# KiCad board SandyLPD_Base.kicad_pcb
title: Sandy; date: 2023-01-06; rev: v.0; company: @jpskenn
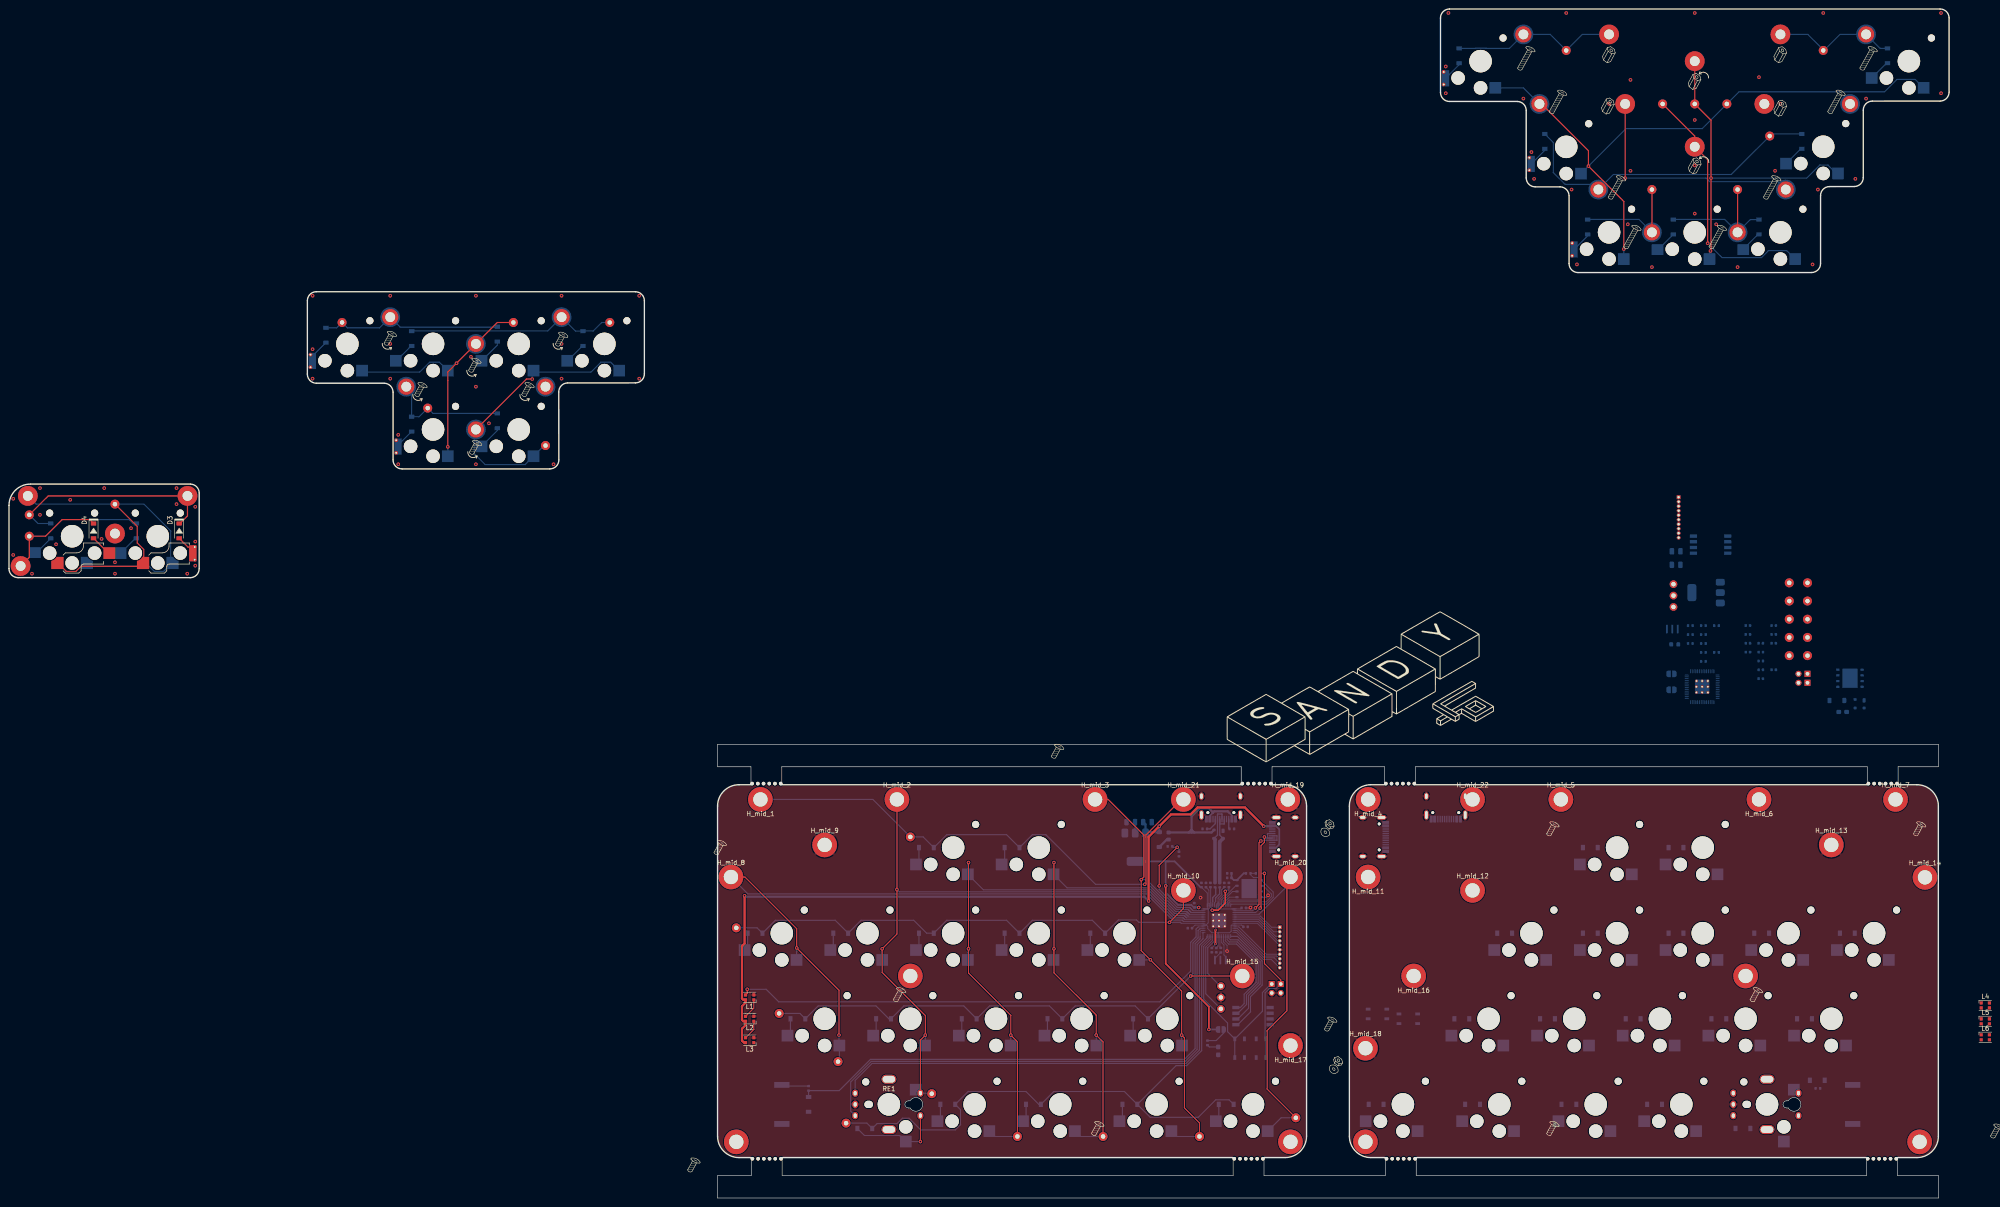
[diagram p0: board, top side]
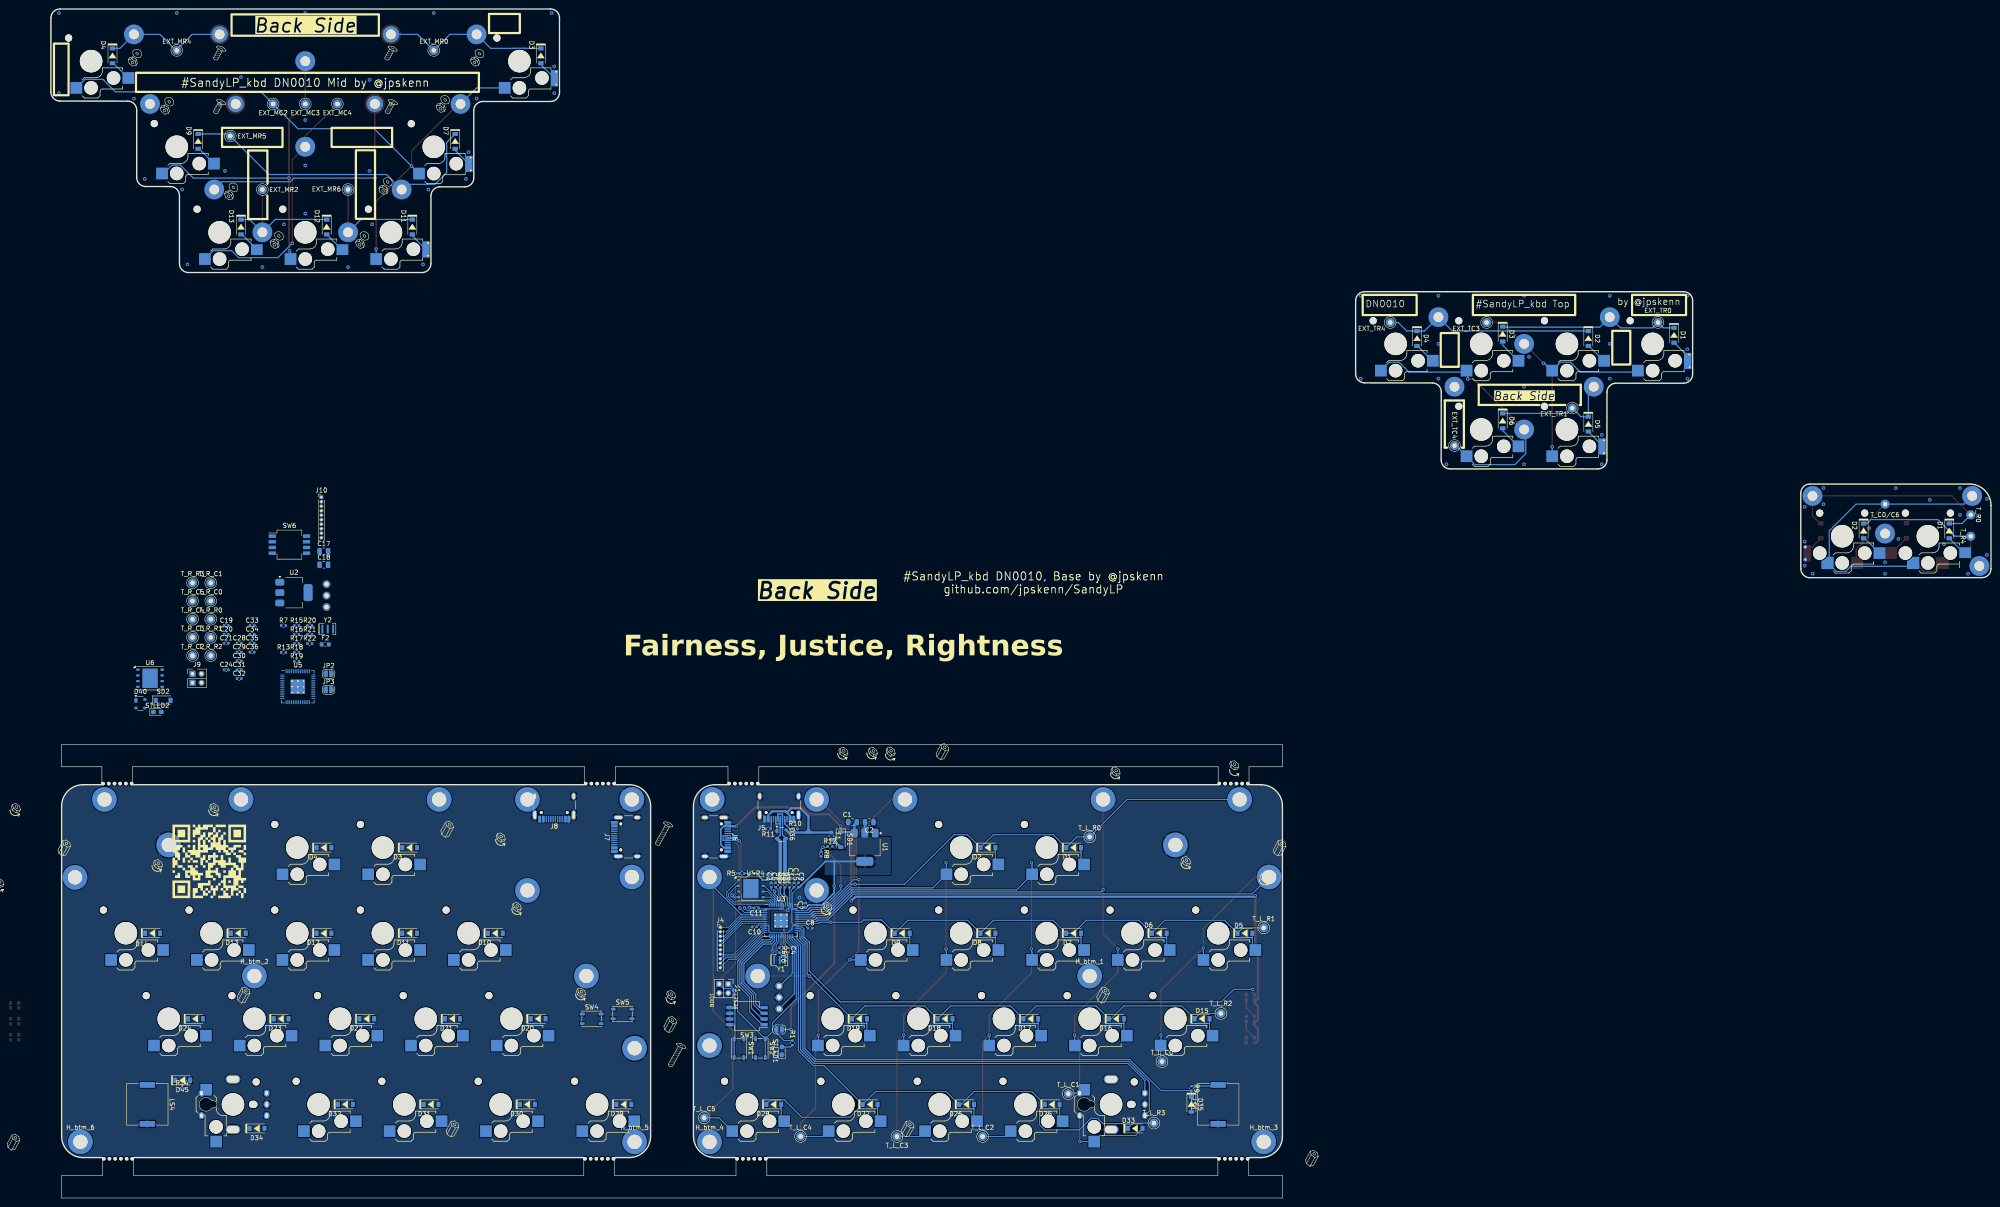
[diagram p1: board, bottom side, seen from below]

Outline 431.4 x 264.61 mm; copper layers: Top, Bottom. Coordinates in mm from the lower left corner of the outline.
Stack: Top 0.035mm / dielectric 1.11mm FR4 er 4.5 / Bottom 0.035mm

## Placement (name value [footprint] x y rotation side)
C1  10u  [C_0805_2012Metric]  253.16 83.65 0 bottom
C2  10u  [C_0805_2012Metric]  249.44 83.65 180 bottom
C3  100n  [C_0402_1005Metric]  271.25 69.65 90 bottom
C4  100n  [C_0402_1005Metric]  267.46 55.15 270 bottom
C5  100n  [C_0402_1005Metric]  270.24 69.65 90 bottom
C6  100n  [C_0402_1005Metric]  268.46 55.15 270 bottom
C7  100n  [C_0402_1005Metric]  263.56 65.15 90 bottom
C8  100n  [C_0402_1005Metric]  262.58 60.05 180 bottom
C9  100n  [C_0402_1005Metric]  265.16 69.65 90 bottom
C10  100n  [C_0402_1005Metric]  274.96 60.35 0 bottom
C11  100n  [C_0402_1005Metric]  274.56 64.55 0 bottom
C12  100n  [C_0402_1005Metric]  271.36 71.25 180 bottom
C13  2.2uF  [C_0402_1005Metric]  271.36 72.25 180 bottom
C14  2.2uF  [C_0402_1005Metric]  267.16 69.65 90 bottom
C15  2.2uF  [C_0402_1005Metric]  266.16 69.65 90 bottom
C17  10u  [C_0805_2012Metric]  370.72 143.93 180 bottom
C18  10u  [C_0805_2012Metric]  370.72 140.92 180 bottom
C19  100n  [C_0402_1005Metric]  392.41 127.4 180 bottom
C20  100n  [C_0402_1005Metric]  392.41 125.43 180 bottom
C21  100n  [C_0402_1005Metric]  392.41 123.46 180 bottom
C24  100n  [C_0402_1005Metric]  392.41 117.55 180 bottom
C28  100n  [C_0402_1005Metric]  389.54 123.46 180 bottom
C29  100n  [C_0402_1005Metric]  389.54 121.49 180 bottom
C30  100n  [C_0402_1005Metric]  389.54 119.52 180 bottom
C31  100n  [C_0402_1005Metric]  389.54 117.55 180 bottom
C32  100n  [C_0402_1005Metric]  389.54 115.58 180 bottom
C33  100n  [C_0402_1005Metric]  386.67 127.4 180 bottom
C34  2.2uF  [C_0402_1005Metric]  386.67 125.43 180 bottom
C35  2.2uF  [C_0402_1005Metric]  386.67 123.46 180 bottom
C36  2.2uF  [C_0402_1005Metric]  386.67 121.49 180 bottom
Cutout1  60_Outline  [SandyLP_outline_Mid_Isolated_Area_gentle_corner]  42.61 137.75 0 top
Cutout1#2  60_Outline  [SandyLP_outline_Mid]  374.85 243.48 0 top
D1  D  [D_SOD-123_Emphasized_Direction_Line]  9.27 148.47 270 bottom
D1#2  D  [D_SOD-123_Emphasized_Direction_Line]  70.48 192 270 bottom
D1#3  D  [D_SOD-123_Emphasized_Direction_Line_Reference_on_bottom]  203.99 77.99 180 bottom
D2  D  [D_SOD-123_Emphasized_Direction_Line]  89.53 191.27 270 bottom
D2#2  D  [D_SOD-123_Emphasized_Direction_Line]  28.33 148.47 270 bottom
D2#3  D  [D_SOD-123_Emphasized_Direction_Line_Reference_on_bottom]  223.04 77.99 180 bottom
D3  D  [D_SOD-123_Emphasized_Direction_Line]  37.85 148.47 270 top
D3#2  D  [D_SOD-123_Emphasized_Direction_Line]  108.58 192.26 270 bottom
D3#3  D  [D_SOD-123_Emphasized_Direction_Line_Reference_on_bottom]  351.63 77.99 180 bottom
D3#4  D  [D_SOD-123_Emphasized_Direction_Line]  322.46 254.2 270 bottom
D4  D  [D_SOD-123_Emphasized_Direction_Line]  18.8 148.47 270 top
D4#2  D  [D_SOD-123_Emphasized_Direction_Line]  417.71 254.2 270 bottom
D4#3  D  [D_SOD-123_Emphasized_Direction_Line]  127.63 191.27 270 bottom
D4#4  D  [D_SOD-123_Emphasized_Direction_Line_Reference_on_bottom]  370.68 77.99 180 bottom
D5  D  [D_SOD-123_Emphasized_Direction_Line]  89.53 172.22 270 bottom
D5#2  D  [D_SOD-123_Emphasized_Direction_Line_Reference_on_bottom]  165.89 58.94 180 bottom
D6  D  [D_SOD-123_Emphasized_Direction_Line]  108.58 172.95 270 bottom
D6#2  D  [D_SOD-123_Emphasized_Direction_Line_Reference_on_bottom]  184.94 58.94 180 bottom
D7  D  [D_SOD-123_Emphasized_Direction_Line_Reference_on_bottom]  203.99 58.94 180 bottom
D7#2  D  [D_SOD-123_Emphasized_Direction_Line]  341.51 235.15 270 bottom
D8  D  [D_SOD-123_Emphasized_Direction_Line_Reference_on_bottom]  223.04 58.94 180 bottom
D9  D  [D_SOD-123_Emphasized_Direction_Line]  398.66 235.15 270 bottom
D9#2  D  [D_SOD-123_Emphasized_Direction_Line_Reference_on_bottom]  242.09 58.94 180 bottom
D10  D  [D_SOD-123_Emphasized_Direction_Line_Reference_on_bottom]  332.58 58.94 180 bottom
D11  D  [D_SOD-123_Emphasized_Direction_Line]  351.04 216.1 270 bottom
D11#2  D  [D_SOD-123_Emphasized_Direction_Line_Reference_on_bottom]  351.63 58.94 180 bottom
D12  D  [D_SOD-123_Emphasized_Direction_Line_Reference_on_bottom]  370.68 58.94 180 bottom
D12#2  D  [D_SOD-123_Emphasized_Direction_Line]  370.09 216.1 270 bottom
D13  D  [D_SOD-123_Emphasized_Direction_Line]  389.14 216.1 270 bottom
D13#2  D  [D_SOD-123_Emphasized_Direction_Line_Reference_on_bottom]  389.73 58.94 180 bottom
D14  D  [D_SOD-123_Emphasized_Direction_Line_Reference_on_bottom]  408.78 58.94 180 bottom
D15  D  [D_SOD-123_Emphasized_Direction_Line_Reference_on_bottom]  175.42 39.89 180 bottom
D16  D  [D_SOD-123_Emphasized_Direction_Line_Reference_on_bottom]  194.47 39.89 180 bottom
D17  D  [D_SOD-123_Emphasized_Direction_Line_Reference_on_bottom]  213.52 39.89 180 bottom
D18  D  [D_SOD-123_Emphasized_Direction_Line_Reference_on_bottom]  232.57 39.89 180 bottom
D19  D  [D_SOD-123_Emphasized_Direction_Line_Reference_on_bottom]  251.62 39.89 180 bottom
D20  D  [D_SOD-123_Emphasized_Direction_Line_Reference_on_bottom]  323.06 39.89 180 bottom
D21  D  [D_SOD-123_Emphasized_Direction_Line_Reference_on_bottom]  342.11 39.89 180 bottom
D22  D  [D_SOD-123_Emphasized_Direction_Line_Reference_on_bottom]  361.16 39.89 180 bottom
D23  D  [D_SOD-123_Emphasized_Direction_Line_Reference_on_bottom]  380.21 39.89 180 bottom
D24  D  [D_SOD-123_Emphasized_Direction_Line_Reference_on_bottom]  399.26 39.89 180 bottom
D25  D  [D_SOD-123_Emphasized_Direction_Line_Reference_on_bottom]  208.76 20.84 180 bottom
D26  D  [D_SOD-123_Emphasized_Direction_Line_Reference_on_bottom]  227.81 20.84 180 bottom
D27  D  [D_SOD-123_Emphasized_Direction_Line_Reference_on_bottom]  249.24 20.84 180 bottom
D28  D  [D_SOD-123_Emphasized_Direction_Line_Reference_on_bottom]  270.67 20.84 180 bottom
D29  D  [D_SOD-123_Emphasized_Direction_Line_Reference_on_bottom]  304.01 20.84 180 bottom
D30  D  [D_SOD-123_Emphasized_Direction_Line_Reference_on_bottom]  325.44 20.84 180 bottom
D31  D  [D_SOD-123_Emphasized_Direction_Line_Reference_on_bottom]  346.87 20.84 180 bottom
D32  D  [D_SOD-123_Emphasized_Direction_Line_Reference_on_bottom]  365.92 20.84 180 bottom
D33  D  [D_SOD-123_Emphasized_Direction_Line_Reference_on_bottom]  190.3 15.48 180 bottom
D34  D  [D_SOD-123_Emphasized_Direction_Line_Reference_on_bottom]  385.56 15.48 180 bottom
D35  D  [D_SOD-123_Emphasized_Direction_Line_Reference_on_bottom]  177.8 20.84 270 bottom
D36  PRTR5V0U2X  [SOT-143]  268.96 80.96 180 bottom
D40  PRTR5V0U2X  [SOT-143]  411.51 110 180 bottom
D45  D  [D_SOD-123_Emphasized_Direction_Line_Reference_on_bottom]  402.1 26.19 180 bottom
EXT_MC2  Conn_01x01  [TestPoint_THTPad_D2.0mm_Drill1.0mm]  381.99 243.48 0 bottom
EXT_MC3  Conn_01x01  [TestPoint_THTPad_D2.0mm_Drill1.0mm]  374.85 243.48 0 bottom
EXT_MC4  Conn_01x01  [TestPoint_THTPad_D2.0mm_Drill1.0mm]  367.7 243.48 0 bottom
EXT_MR0  Conn_01x01  [TestPoint_THTPad_D2.0mm_Drill1.0mm]  346.27 255.39 180 bottom
EXT_MR2  Conn_01x01  [TestPoint_THTPad_D2.0mm_Drill1.0mm]  384.37 224.43 0 bottom
EXT_MR4  Conn_01x01  [TestPoint_THTPad_D2.0mm_Drill1.0mm]  403.42 255.39 180 bottom
EXT_MR5  Conn_01x01  [TestPoint_THTPad_D2.0mm_Drill1.0mm]  391.52 236.34 0 bottom
EXT_MR6  Conn_01x01  [TestPoint_THTPad_D2.0mm_Drill1.0mm]  365.32 224.43 0 bottom
EXT_TC3  Conn_01x01  [TestPoint_THTPad_D2.0mm_Drill1.0mm]  112.16 194.85 180 bottom
EXT_TC4  Conn_01x01  [TestPoint_THTPad_D2.0mm_Drill1.0mm]  119.3 167.46 180 bottom
EXT_TR0  Conn_01x01  [TestPoint_THTPad_D2.0mm_Drill1.0mm]  74.06 194.85 180 bottom
EXT_TR1  Conn_01x01  [TestPoint_THTPad_D2.0mm_Drill1.0mm]  93.11 175.8 180 bottom
EXT_TR4  Conn_01x01  [TestPoint_THTPad_D2.0mm_Drill1.0mm]  133.59 194.85 180 bottom
F1  Fuse  [Fuse_0603_1608Metric]  257.86 80.56 270 bottom
F2  Fuse  [Fuse_0603_1608Metric]  370.41 123.21 180 bottom
G***  LOGO  [SandyLP_QR_360dpi]  396.19 74.91 180 bottom
H1  MountingHole  [MountingHole_1.8-2.2mm_M2_Pad_minimal]  336.75 258.96 180 top
H1#2  MountingHole  [MountingHole_1.8-2.2mm_M2_Pad_minimal]  84.77 196.04 0 top
H1#3  MountingHole  [MountingHole_2.2mm_M2_Pad_minimal]  4.19 156.25 0 bottom
H2  MountingHole  [MountingHole_1.8-2.2mm_M2_Pad_minimal]  412.95 258.96 0 top
H2#2  MountingHole  [MountingHole_1.8-2.2mm_M2_Pad_minimal]  103.82 190.08 0 top
H2#3  MountingHole  [MountingHole_2.2mm_M2_Pad_minimal]  2.59 140.65 180 bottom
H3  MountingHole  [MountingHole_1.8-2.2mm_M2_Pad_minimal]  340.32 243.48 0 top
H3#2  MountingHole  [MountingHole_1.8-2.2mm_M2_Pad_minimal]  122.87 196.04 0 top
H3#3  MountingHole  [MountingHole_2.2mm_M2_Pad_minimal]  39.69 156.25 0 bottom
H4  MountingHole  [MountingHole_1.8-2.2mm_M2_Pad_minimal]  409.38 243.48 0 top
H4#2  MountingHole  [MountingHole_1.8-2.2mm_M2_Pad_minimal]  88.34 180.56 0 top
H4#3  MountingHole  [MountingHole_2.2mm_M2_Pad_minimal]  23.56 147.87 180 bottom
H5  MountingHole  [MountingHole_1.8-2.2mm_M2_Pad_minimal]  119.3 180.56 0 top
H5#2  MountingHole  [MountingHole_1.8-2.2mm_M2_Pad_minimal]  353.42 224.43 0 top
H6  MountingHole  [MountingHole_1.8-2.2mm_M2_Pad_minimal]  395.09 224.43 0 top
H6#2  MountingHole  [MountingHole_1.8-2.2mm_M2_Pad_minimal]  103.82 171.03 0 top
H7  MountingHole  [MountingHole_1.8-2.2mm_M2_Pad_minimal]  365.32 214.91 0 top
H8  MountingHole  [MountingHole_1.8-2.2mm_M2_Pad_minimal]  384.37 214.91 0 top
H_btm_1  MountingHole  [MountingHole_M2_Through-hole_tap_THC-0.8-x-2]  200.42 49.41 180 bottom
H_btm_2  MountingHole  [MountingHole_M2_Through-hole_tap_THC-0.8-x-2]  386.16 49.41 180 bottom
H_btm_3  MountingHole  [MountingHole_M2_Through-hole_tap_THC-0.8-x-2]  161.73 12.5 180 bottom
H_btm_4  MountingHole  [MountingHole_M2_Through-hole_tap_THC-0.8-x-2]  284.96 12.5 180 bottom
H_btm_5  MountingHole  [MountingHole_M2_Through-hole_tap_THC-0.8-x-2]  301.63 12.5 180 bottom
H_btm_6  MountingHole  [MountingHole_M2_Through-hole_tap_THC-0.8-x-2]  424.86 12.5 180 bottom
H_mid_1  MountingHole  [MountingHole_M2_Through-hole_tap_THC-0.8-x-2]  167.08 88.7 180 top
H_mid_2  MountingHole  [MountingHole_M2_Through-hole_tap_THC-0.8-x-2]  197.45 88.7 0 top
H_mid_3  MountingHole  [MountingHole_M2_Through-hole_tap_THC-0.8-x-2]  241.5 88.7 0 top
H_mid_4  MountingHole  [MountingHole_M2_Through-hole_tap_THC-0.8-x-2]  302.22 88.7 180 top
H_mid_5  MountingHole  [MountingHole_M2_Through-hole_tap_THC-0.8-x-2]  345.08 88.7 0 top
H_mid_6  MountingHole  [MountingHole_M2_Through-hole_tap_THC-0.8-x-2]  389.14 88.7 180 top
H_mid_7  MountingHole  [MountingHole_M2_Through-hole_tap_THC-0.8-x-2]  419.5 88.7 0 top
H_mid_8  MountingHole  [MountingHole_M2_Through-hole_tap_THC-0.8-x-2]  160.54 71.44 0 top
H_mid_9  MountingHole  [MountingHole_M2_Through-hole_tap_THC-0.8-x-2]  181.37 78.58 0 top
H_mid_10  MountingHole  [MountingHole_M2_Through-hole_tap_THC-0.8-x-2]  261.14 68.46 0 top
H_mid_11  MountingHole  [MountingHole_M2_Through-hole_tap_THC-0.8-x-2]  302.22 71.44 180 top
H_mid_12  MountingHole  [MountingHole_M2_Through-hole_tap_THC-0.8-x-2]  325.44 68.46 0 top
H_mid_13  MountingHole  [MountingHole_M2_Through-hole_tap_THC-0.8-x-2]  405.21 78.58 0 top
H_mid_14  MountingHole  [MountingHole_M2_Through-hole_tap_THC-0.8-x-2]  426.05 71.36 0 top
H_mid_15  MountingHole  [MountingHole_M2_Through-hole_tap_THC-0.8-x-2]  274.24 49.41 0 top
H_mid_16  MountingHole  [MountingHole_M2_Through-hole_tap_THC-0.8-x-2]  312.34 49.41 180 top
H_mid_17  MountingHole  [MountingHole_M2_Through-hole_tap_THC-0.8-x-2]  284.96 33.93 180 top
H_mid_18  MountingHole  [MountingHole_M2_Through-hole_tap_THC-0.8-x-2]  301.63 33.34 0 top
H_mid_19  MountingHole  [MountingHole_M2_Through-hole_tap_THC-0.8-x-2]  284.36 88.7 0 top
H_mid_20  MountingHole  [MountingHole_M2_Through-hole_tap_THC-0.8-x-2]  284.96 71.44 0 top
H_mid_21  MountingHole  [MountingHole_M2_Through-hole_tap_THC-0.8-x-2]  261.14 88.7 0 top
H_mid_22  MountingHole  [MountingHole_M2_Through-hole_tap_THC-0.8-x-2]  325.44 88.7 0 top
H_top_1  MountingHole  [MountingHole_1.8-2.2mm_M2_Pad_minimal]  355.8 258.96 0 bottom
H_top_2  MountingHole  [MountingHole_2.2mm_M2_Pad_minimal]  374.85 253.01 0 bottom
H_top_3  MountingHole  [MountingHole_1.8-2.2mm_M2_Pad_minimal]  393.9 258.96 180 bottom
H_top_4  MountingHole  [MountingHole_1.8-2.2mm_M2_Pad_minimal]  359.37 243.48 180 bottom
H_top_5  MountingHole  [MountingHole_1.8-2.2mm_M2_Pad_minimal]  390.33 243.48 180 bottom
H_top_6  MountingHole  [MountingHole_2.2mm_M2_Pad_minimal]  374.85 233.96 180 bottom
J1  Conn_02x02_Odd_Even  [PinHeader_2x02_P2.00mm_Vertical_2pair]  280.79 47.62 270 bottom
J2  Conn_01x03  [PinHeader_1x03_P2.54mm_Vertical_All_circle]  269.48 47.17 180 bottom
J4  Conn_01x10_Pin  [PinHeader_1x10_P1.00mm_Vertical]  282.56 60.25 180 bottom
J5  USB_C_Receptacle_USB2.0  [USB_C_Receptacle_HRO_TYPE-C-31-M-12]  269.48 88.37 0 bottom
J6  USB_C_Receptacle_USB2.0  [USB_C_Receptacle_HRO_TYPE-C-31-M-12]  284.94 80.37 270 bottom
J7  USB_C_Receptacle_USB2.0  [USB_C_Receptacle_HRO_TYPE-C-31-M-12]  302.09 80.37 90 bottom
J8  USB_C_Receptacle_USB2.0  [USB_C_Receptacle_HRO_TYPE-C-31-M-12]  319.48 88.37 0 bottom
J9  Conn_02x02_Odd_Even  [PinHeader_2x02_P2.00mm_Vertical_2pair]  399.92 116.66 180 bottom
J10  Conn_01x10_Pin  [PinHeader_1x10_P1.00mm_Vertical]  371.27 155.96 180 bottom
J11  Conn_01x03  [PinHeader_1x03_P2.54mm_Vertical_All_circle]  370.12 136.61 180 bottom
JP1  SolderJumper_2_Open  [SolderJumper-2_P1.3mm_Open_RoundedPad1.0x1.5mm]  269.48 37.5 0 bottom
JP2  SolderJumper_2_Open  [SolderJumper-2_P1.3mm_Open_RoundedPad1.0x1.5mm]  369.68 116.66 180 bottom
JP3  SolderJumper_2_Open  [SolderJumper-2_P1.3mm_Open_RoundedPad1.0x1.5mm]  369.68 113.11 180 bottom
L1  WS2812B-2020  [LED_WS2812B-2020_PLCC4_2.0x2.0mm]  164.7 44.65 180 top
L2  WS2812B-2020  [LED_WS2812B-2020_PLCC4_2.0x2.0mm]  164.7 39.89 180 top
L3  WS2812B-2020  [LED_WS2812B-2020_PLCC4_2.0x2.0mm]  164.7 35.12 180 top
L4  WS2812B-2020  [LED_WS2812B-2020_PLCC4_2.0x2.0mm]  439.46 42.86 0 top
L5  WS2812B-2020  [LED_WS2812B-2020_PLCC4_2.0x2.0mm]  439.46 39.31 0 top
L6  WS2812B-2020  [LED_WS2812B-2020_PLCC4_2.0x2.0mm]  439.46 35.76 0 top
LOGO1  Logo_Base  [SandyLP_logo_LP40_w60]  300.43 113.7 0 top
LS1  Speaker  [Buzzer_Murata_PKMCS0909E]  171.85 20.84 270 bottom
LS4  Speaker  [Buzzer_Murata_PKMCS0909E]  409.97 20.84 270 bottom
R1  1k  [R_0402_1005Metric]  266.5 34.53 90 bottom
R2  27  [R_0402_1005Metric]  269.22 69.65 90 bottom
R3  27  [R_0402_1005Metric]  268.18 69.65 90 bottom
R4  10k  [R_0402_1005Metric]  275.56 72.25 0 bottom
R5  1k  [R_0402_1005Metric]  277.76 72.25 180 bottom
R6  1k  [R_0402_1005Metric]  269.46 55.15 90 bottom
R7  1k  [R_0402_1005Metric]  379.69 127.39 180 bottom
R8  10k  [R_0402_1005Metric]  260.16 76.54 270 bottom
R9  1k  [R_0402_1005Metric]  177.8 24.41 270 bottom
R10  5.1k  [R_0402_1005Metric]  265.91 82.15 180 bottom
R11  5.1k  [R_0402_1005Metric]  271.91 82.15 0 bottom
R12  5.6k  [R_0402_1005Metric]  258.16 78.25 180 bottom
R13  5.1k  [R_0402_1005Metric]  379.69 121.42 180 bottom
R14  1k  [R_0402_1005Metric]  402.23 24.41 180 bottom
R15  5.1k  [R_0402_1005Metric]  376.78 127.39 180 bottom
R16  5.6k  [R_0402_1005Metric]  376.78 125.4 180 bottom
R17  27  [R_0402_1005Metric]  376.78 123.41 180 bottom
R18  27  [R_0402_1005Metric]  376.78 121.42 180 bottom
R19  10k  [R_0402_1005Metric]  376.78 119.43 180 bottom
R20  10k  [R_0402_1005Metric]  373.87 127.39 180 bottom
R21  1k  [R_0402_1005Metric]  373.87 125.4 180 bottom
R22  1k  [R_0402_1005Metric]  373.87 123.41 180 bottom
REF**  -  [ICON_Screw_Medium]  122.78 188.55 0 top
REF**#2  -  [ICON_arrow_round_small]  377.23 231.58 0 top
REF**#3  -  [ICON_Spacer]  393.9 251.82 0 top
REF**#4  -  [ICON_Screw_Medium]  103.66 164.48 0 top
REF**#5  -  [ICON_Screw_Medium]  91.5 177.35 0 top
REF**#6  -  [ICON_Screw_Medium]  197.95 42.67 0 top
REF**#7  -  [ICON_Screw_Medium]  233.08 96.84 0 top
REF**#8  -  [ICON_Spacer]  355.8 251.82 0 top
REF**#9  -  [ICON_Screw_Long_Medium]  379.32 210.25 0 top
REF**#10  -  [ICON_Screw_Medium]  152.2 4.76 0 top
REF**#11  -  [ICON_Spacer]  393.9 239.91 0 top
REF**#12  -  [ICON_Spacer]  355.57 240.38 0 top
REF**#13  -  [ICON_arrow_round_small]  83.75 189.06 180 top
REF**#14  -  [ICON_arrow_round_small]  121.75 189.06 180 top
REF**#15  -  [ICON_Screw_Medium]  441.92 12.32 0 top
REF**#16  -  [ICON_Screw_Long_Medium]  343.81 240.31 0 top
REF**#17  -  [ICON_Screw_Long_Medium]  405.72 240.31 0 top
REF**#18  -  [ICON_Screw_Medium]  343.21 12.9 0 top
REF**#19  -  [ICON_Screw_Medium]  388.45 42.67 0 top
REF**#20  -  [ICON_Screw_Long_Medium]  356.9 221.26 0 top
REF**#21  -  [ICON_Screw_Medium]  84.7 188.75 0 top
REF**#22  60_Outline  [SandyLP-Duo_outline_Base]  293.29 39.89 0 top
REF**#23  -  [ICON_Spacer]  374.85 245.86 0 top
REF**#24  -  [ICON_Screw_Long_Medium]  336.75 249.98 0 top
REF**#25  -  [ICON_arrow_round_small]  102.55 183.06 180 top
REF**#26  -  [ICON_Nut & Washer]  293.29 79.77 0 top
REF**#27  -  [ICON_Screw_Medium]  103.5 182.75 0 top
REF**#28  -  [ICON_Screw_Long_Medium]  412.86 249.98 0 top
REF**#29  -  [ICON_Screw_Medium]  293.8 36.12 0 top
REF**#30  -  [ICON_Screw_Long_Medium]  391.43 221.26 0 top
REF**#31  -  [ICON_Screw_Medium]  115.3 177.35 0 top
REF**#32  -  [ICON_Screw_Medium]  158.07 75.41 0 top
REF**#33  -  [ICON_Screw_Medium]  242.01 12.9 0 top
REF**#34  -  [ICON_arrow_round_small]  90.55 177.66 180 top
REF**#35  -  [ICON_arrow_round_small]  102.77 164.93 180 top
REF**#36  60_Outline  [SandyLP_outline_Top]  103.82 180.56 0 top
REF**#37  -  [ICON_arrow_round_small]  114.35 177.66 180 top
REF**#38  -  [ICON_Screw_Medium]  424.77 79.58 0 top
REF**#39  -  [ICON_Spacer]  374.89 227.08 0 top
REF**#40  -  [ICON_Nut & Washer]  295.18 27.06 0 top
REF**#41  -  [ICON_arrow_round_small]  377.17 250.38 0 top
REF**#42  -  [ICON_Screw_Medium]  343.21 79.58 0 top
REF**#43  -  [ICON_Screw_Long_Medium]  360.32 210.25 0 top
REF**#44  -  [ICON_Nut]  313.53 45.84 180 bottom
REF**#45  -  [ICON_Nut & Washer]  344.34 246.03 0 bottom
REF**#46  -  [ICON_Nut & Washer]  336.73 256.31 0 bottom
REF**#47  -  [ICON_Screw_Medium]  393.99 252.22 180 bottom
REF**#48  -  [ICON_Screw_Long_Medium]  295.72 77.47 180 bottom
REF**#49  -  [ICON_Nut]  407.59 74.41 180 bottom
REF**#50  -  [ICON_Screw_Medium]  355.8 240.31 180 bottom
REF**#51  -  [ICON_Spacer]  233.12 96.71 180 bottom
REF**#52  -  [ICON_arrow_round_small]  408.18 72.85 0 bottom
REF**#53  -  [ICON_Spacer]  428.38 75.28 180 bottom
REF**#54  -  [ICON_arrow_round_small]  259.38 63.25 0 bottom
REF**#55  -  [ICON_Nut]  442.91 70.26 180 bottom
REF**#56  -  [ICON_Screw_Medium]  355.89 252.22 180 bottom
REF**#57  -  [ICON_Spacer]  240.86 12.77 180 bottom
REF**#58  -  [ICON_Spacer]  343.25 79.45 180 bottom
REF**#59  -  [ICON_Nut]  244.69 99.46 180 bottom
REF**#60  -  [ICON_Nut]  439.19 86.92 180 bottom
REF**#61  -  [ICON_Nut]  255.19 99.42 180 bottom
REF**#62  -  [ICON_Nut & Washer]  391.43 226.54 0 bottom
REF**#63  -  [ICON_Spacer]  293.65 35.99 180 bottom
REF**#64  -  [ICON_Spacer]  197.4 42.54 180 bottom
REF**#65  -  [ICON_arrow_round_small]  255.71 97.83 0 bottom
REF**#66  -  [ICON_arrow_round_small]  313.98 44.25 0 bottom
REF**#67  -  [ICON_arrow_round_small]  328.18 63.25 0 bottom
REF**#68  -  [ICON_Nut & Washer]  405.7 245.59 0 bottom
REF**#69  -  [ICON_Nut]  178.99 75.09 180 bottom
REF**#70  -  [ICON_Nut]  161.47 71.44 180 bottom
REF**#71  -  [ICON_Spacer]  388.53 42.54 180 bottom
REF**#72  -  [ICON_Nut & Washer]  412.84 256.31 0 bottom
REF**#73  -  [ICON_Screw_Long_Medium]  292.85 28.2 180 bottom
REF**#74  -  [ICON_Nut & Washer]  381.29 215.73 0 bottom
REF**#75  -  [ICON_Spacer]  158.14 75.28 180 bottom
REF**#76  -  [ICON_Nut]  168.28 96.44 180 bottom
REF**#77  -  [ICON_arrow_round_small]  439.74 85.25 0 bottom
REF**#78  -  [ICON_arrow_round_small]  195.06 93.46 0 bottom
REF**#79  -  [ICON_Nut]  194.66 95.06 180 bottom
REF**#80  -  [ICON_Nut]  395.09 86.92 180 bottom
REF**#81  -  [ICON_arrow_round_small]  179.38 73.49 0 bottom
REF**#82  -  [ICON_Screw_Medium]  393.99 240.31 180 bottom
REF**#83  -  [ICON_arrow_round_small]  293.89 43.46 0 bottom
REF**#84  -  [ICON_Nut]  258.76 64.89 180 bottom
REF**#85  -  [ICON_arrow_round_small]  443.31 68.46 0 bottom
REF**#86  -  [ICON_arrow_round_small]  245.07 97.63 0 bottom
REF**#87  -  [ICON_Nut]  331.39 80.37 180 bottom
REF**#88  -  [ICON_arrow_round_small]  331.78 78.65 0 bottom
REF**#89  -  [ICON_arrow_round_small]  249.23 97.9 0 bottom
REF**#90  -  [ICON_arrow_round_small]  395.58 85.25 0 bottom
REF**#91  -  [ICON_Nut]  327.82 64.89 180 bottom
REF**#92  -  [ICON_Spacer]  342.06 12.77 180 bottom
REF**#93  -  [ICON_arrow_round_small]  168.58 94.19 0 bottom